# Altium PCB Hrafn_backup.PcbDoc (part 1 of 5) (continued)
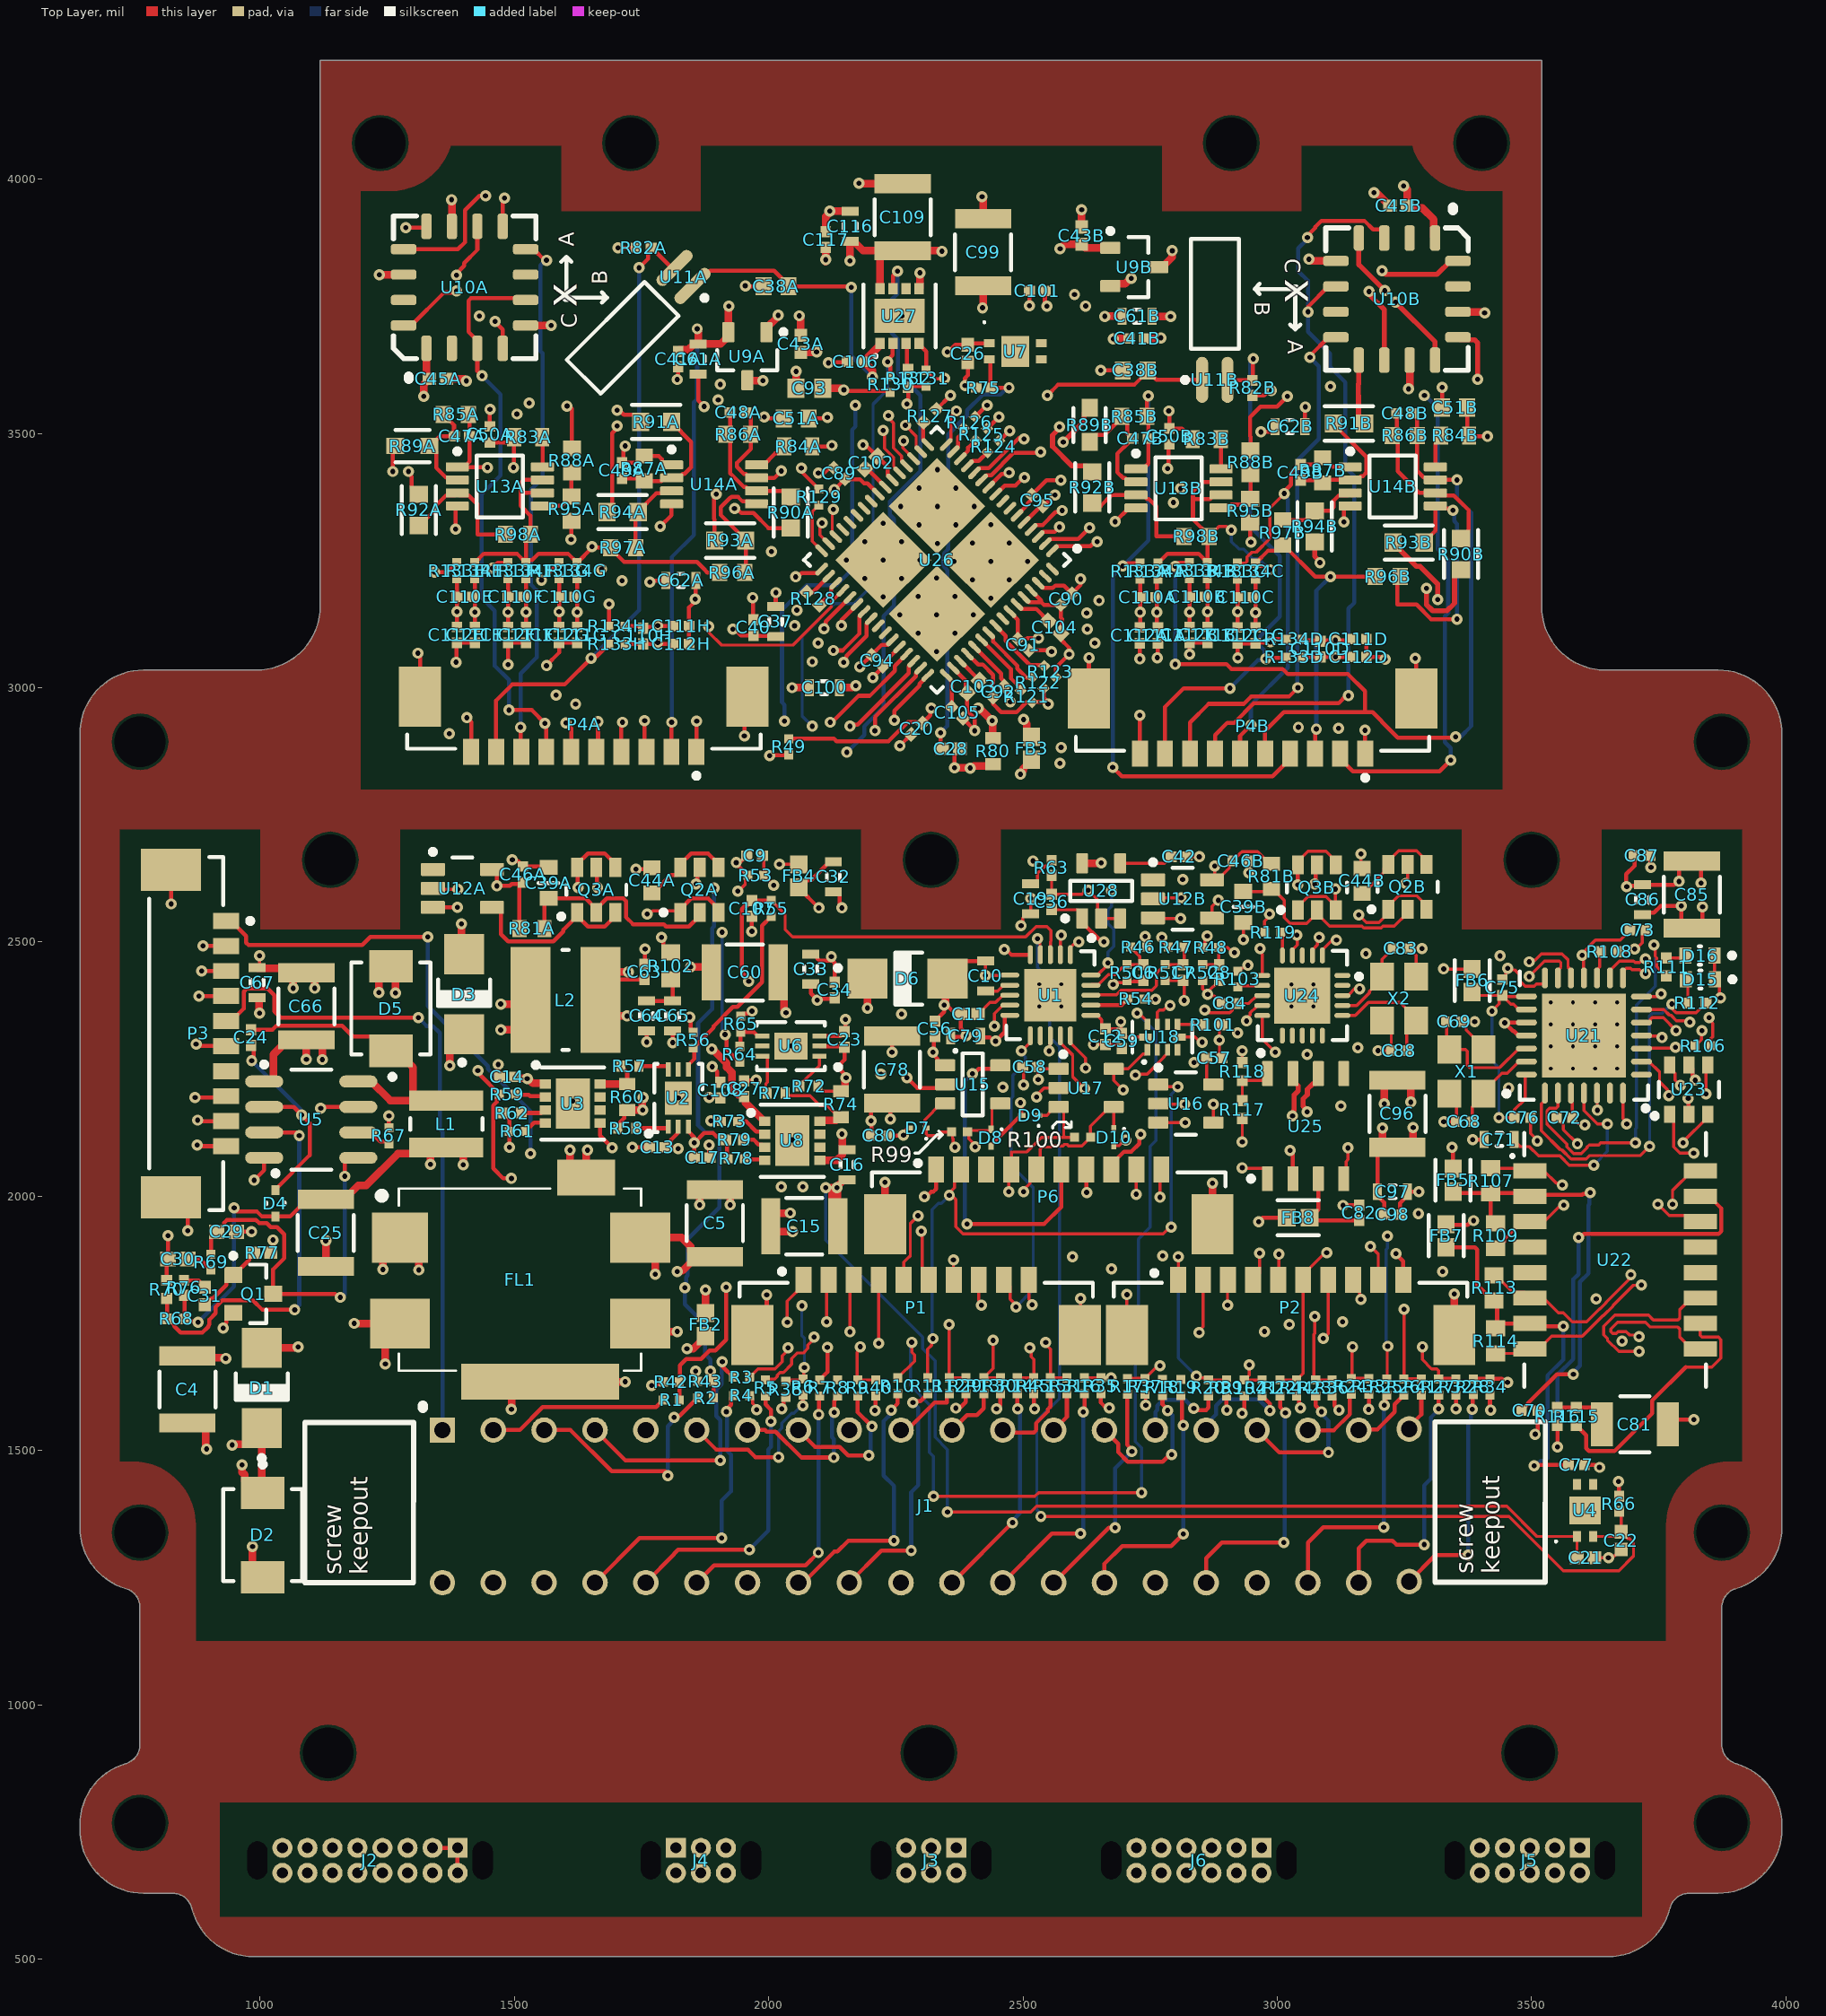
[diagram p0: Top Layer view]
## Classes and differential pairs (continued)

## Components (designator, comment, footprint, x,y, rotation, side; value= is the part's Value field where it differs from the comment)
C4 "CGA6P1X7S1A476M250AC" FP-CGA6P-IPC_B 857,1620 r90 top
C5 "CGA6P1X7S1A476M250AC" FP-CGA6P-IPC_B 1894,1947 r90 top
C6 "0.1 uF" CAPC1005X55X25LL05T10 2736.88,2439.72 r90 top
C7 "0.1 uF" CAPC1005X55X25LL05T10 2814.61,2439.72 r90 top
C8 "0.1 uF" CAPC1005X55X25LL05T10 2885.48,2439.72 r90 top
C9 "0.1 uF" CAPC1005X55X25LL05T10 1972.44,2669.29 r180 top
C10 "10 uF" CAPC1608X90X20LL10 2426.18,2433.07 r270 top
C11 "1 uF" CAPC1005X60X30NL05T10 2394.68,2358.27 r180 top
C12 "0.1 uF" CAPC1005X55X25LL05T10 2662,2314 r90 top
C13 "0.1 uF" CAPC1005X55X25LL05T10 1781,2096 r0 top
C14 "0.1 uF" CAPC1005X55X25LL05T10 1485.66,2234.72 r0 top
C15 "CGA6P1X7S1A476M250AC" FP-CGA6P-IPC_B 2070,1941 r180 top
C16 "10 uF" CAPC1608X90X20LL10 2154,2062 r270 top
C17 "0.1 uF" CAPC1005X55X25LL05T10 1869,2076 r0 top
C19 "10 uF" CAPC1608X90X20LL10 2514.76,2584.65 r270 top
C20 "0.1 uF" CAPC1005X55X25LL05T10 2291.03,2919.29 r45 top
C21 "10 nF" CAPC1005X56X25NL10T15 3606,1289 r180 top
C22 "10 nF" CAPC1005X56X25NL10T15 3676,1323 r90 top
C23 "0.1 uF" CAPC1005X55X25LL05T10 2148.62,2308.07 r270 top
C24 "0.27 uF" CAPC1005X55X25LL05T10 981.84,2312 r270 top
C25 "CGA6P1X7S1A476M250AC" FP-CGA6P-IPC_B 1129,1928 r270 top
C26 "10 nF" CAPC1005X56X25NL10T15 2391.24,3657.02 r90 top
C27 "0.1 uF" CAPC1005X55X25LL05T10 1951.77,2211.61 r270 top
C28 "10 nF" CAPC1005X56X25NL10T15 2358.27,2879.92 r180 top
C29 "100pF" CAPC1005X55X25ML05T10 934.06,1930.12 r180 top
C30 "3.3 nF" CAPC1005X56X25ML10T15 838.21,1876.83 r0 top
C31 "15 nF" CAPC1005X55X25NL05T10 891.21,1803.83 r90 top
C32 "10 uF" CAPC1608X90X20LL10 2126.97,2627.95 r90 top
C33 "10 uF" CAPC1608X90X20LL10 2082.68,2446.85 r270 top
C34 "0.1 uF" CAPC1005X55X25LL05T10 2129.92,2405.51 r270 top
C36 "0.1 uF" CAPC1005X55X25LL05T10 2556.1,2578.74 r270 top
C37 "10 uF" CAPC1608X90X20LL10 2013.59,3130.14 r270 top
C38A "0.1 uF" CAPC1608X87X35LL15T15 2014.2,3789.47 r0 top (schematic designator C38)
C38B "0.1 uF" CAPC1608X87X35LL15T15 2720.47,3624.02 r0 top (schematic designator C38)
C39A "22uF" FP-GRM18-0_2-MFG 1566.93,2616.14 r90 top (schematic designator C39)
C39B "22uF" FP-GRM18-0_2-MFG 2933.07,2568.9 r270 top (schematic designator C39)
C40 "0.1 uF" CAPC1005X55X25LL05T10 1970.28,3118.33 r270 top
C41A "0.1 uF" CAPC1005X55X25LL05T10 1821.69,3646.09 r90 top (schematic designator C41)
C41B "0.1 uF" CAPC1005X55X25LL05T10 2724.02,3687.01 r0 top (schematic designator C41)
C42 "0.1 uF" CAPC1005X55X25LL05T10 2806.83,2667.5 r180 top
C43A "1 uF" CAPC1005X60X30NL05T10 2062.99,3676.18 r90 top (schematic designator C43)
C43B "1 uF" CAPC1005X60X30NL05T10 2615.16,3888.98 r270 top (schematic designator C43)
C44A "4.7uF" CAPC1608X90X35LL10T15 1770.56,2621.11 r90 top (schematic designator C44)
C44B "4.7uF" CAPC1608X90X35LL10T15 3166.49,2620.05 r90 top (schematic designator C44)
C45A "1 uF" CAPC1005X60X30NL05T10 1349.41,3607.28 r180 top (schematic designator C45)
C45B "1 uF" CAPC1005X60X30NL05T10 3238.19,3947.83 r0 top (schematic designator C45)
C46A "0.1 uF" CAPC0402(1005)60_L 1516.73,2632.87 r270 top value=100nF (schematic designator C46)
C46B "0.1 uF" CAPC0402(1005)60_L 2928.15,2659.45 r180 top value=100nF (schematic designator C46)
C47A "470 pF" CAPC1005X55X25LL05T10 1396.49,3494.19 r0 top (schematic designator C47)
C47B "470 pF" CAPC1005X55X25LL05T10 2730.74,3490.25 r0 top (schematic designator C47)
C48A "470 pF" CAPC1005X55X25LL05T10 1939.8,3541.43 r0 top (schematic designator C48)
C48B "470 pF" CAPC1005X55X25LL05T10 3250.42,3539.46 r0 top (schematic designator C48)
C49A "470 pF" CAPC1005X55X25LL05T10 1711.45,3427.26 r90 top (schematic designator C49)
C49B "470 pF" CAPC1005X55X25LL05T10 3045.7,3423.32 r90 top (schematic designator C49)
C50A "0.1 uF" CAPC0402(1005)60_L 1451.61,3498.13 r270 top value=100nF (schematic designator C50)
C50B "0.1 uF" CAPC0402(1005)60_L 2787.4,3494.09 r90 top value=100nF (schematic designator C50)
C51A "0.1 uF" CAPC1608X87X35LL15T15 2053.97,3529.62 r0 top (schematic designator C51)
C51B "0.1 uF" CAPC1608X87X35LL15T15 3348.46,3550.91 r0 top (schematic designator C51)
C56 "0.1 uF" CAPC1005X55X30LL05T10 2326.77,2328.74 r270 top
C57 "0.1 uF" CAPC1005X55X30LL05T10 2876,2272 r180 top
C58 "0.1 uF" CAPC1005X55X30LL05T10 2513.78,2253.94 r0 top
C59 "0.1 uF" CAPC1005X55X30LL05T10 2694,2305 r90 top
C60 "CGA6P1X7S1A476M250AC" FP-CGA6P-IPC_B 1952.76,2439.96 r180 top
C61A "10 uF" CAPC1608X90X20LL10 1861.06,3646.49 r90 top (schematic designator C61)
C61B "10 uF" CAPC1608X90X20LL10 2724.11,3730.41 r0 top (schematic designator C61)
C62A "10 uF" CAPC1608X90X20LL10 1827,3211 r180 top (schematic designator C62)
C62B "10 uF" CAPC1608X90X20LL10 3024.61,3513.78 r180 top (schematic designator C62)
C63 "0.1 uF" CAPC1005X55X25LL05T10 1755.91,2441.14 r90 top
C64 "10 uF" CAPC1608X90X20LL10 1759.84,2354.53 r90 top
C65 "10 uF" CAPC1608X90X20LL10 1811.02,2354.53 r90 top
C66 "CGA6P1X7S1A476M250AC" FP-CGA6P-IPC_B 1090.84,2373.32 r90 top
C67 "10 uF" CAPC1608X90X20LL10 994.09,2420.28 r90 top
C68 "18 pF" CAPC1005X55X25LL05T10 3367.6,2146.73 r0 top
C69 "18 pF" CAPC1005X55X25LL05T10 3347.91,2343.58 r0 top
C70 "0.1 uF" CAPC0402(1005)60_L 3496.06,1578.74 r180 top value=100nF
C71 "10 uF" CAPC1608X90X20LL10 3436.4,2111.3 r180 top
C72 "0.1 uF" CAPC0402(1005)60_L 3564.45,2154.61 r0 top value=100nF
C73 "0.1 uF" CAPC0402(1005)60_L 3709,2523 r180 top value=100nF
C75 "0.1 uF" CAPC0402(1005)60_L 3442.4,2410.51 r270 top value=100nF
C76 "0.1 uF" CAPC0402(1005)60_L 3481.77,2154.61 r180 top value=100nF
C77 "0.1 uF" CAPC0402(1005)60_L 3588.03,1471.76 r180 top value=100nF
C78 "CGA6P1X7S1A476M250AC" FP-CGA6P-IPC_B 2242.2,2249.09 r90 top
C79 "10 uF" CAPC1608X90X20LL10 2386.8,2315.01 r0 top
C80 "0.1 uF" CAPC1005X55X25LL05T10 2217.6,2119.17 r180 top
C81 "2.2nF" FP-CGA6P-MFG 3702.76,1551.18 r0 top
C82 "0.1 uF" CAPC1005X55X30LL05T10 3160.51,1967.6 r90 top
C83 "18 pF" CAPC1005X55X25LL05T10 3243.23,2487.13 r180 top
C84 "0.1 uF" CAPC1005X55X30LL05T10 2906.97,2379.02 r0 top
C85 "CGA6P1X7S1A476M250AC" FP-CGA6P-IPC_B 3815,2593 r90 top
C86 "10 uF" CAPC1608X90X20LL10 3718,2583 r270 top
C87 "0.1 uF" CAPC1005X55X25LL05T10 3717,2670 r0 top
C88 "18 pF" CAPC1005X55X25LL05T10 3239.29,2286.34 r0 top
C89 "0.1 uF" CAPC0402(1005)60_L 2138.78,3421.26 r315 top value=100nF
C90 "0.1 uF" CAPC0402(1005)60_L 2585.2,3174.12 r45 top value=100nF
C91 "0.1 uF" CAPC0402(1005)60_L 2500.56,3084.55 r135 top value=100nF
C92 "0.1 uF" CAPC0402(1005)60_L 2452,2992 r225 top value=100nF
C93 "10 uF" CAPC1608X90X35NL10T15 2080,3589 r0 top
C94 "0.1 uF" CAPC0402(1005)60_L 2213.16,3053.05 r135 top value=100nF
C95 "0.1 uF" CAPC0402(1005)60_L 2528.12,3368.02 r135 top value=100nF
C96 "CGA6P1X7S1A476M250AC" FP-CGA6P-IPC_B 3236,2162 r90 top
C97 "10 uF" CAPC1608X90X20LL10 3226.26,2008.94 r180 top
C98 "0.1 uF" CAPC1005X55X25LL05T10 3225.77,1963.84 r180 top
C99 "CGA6P1X7S1A476M250AC" FP-CGA6P-IPC_B 2421.26,3856.3 r90 top
C100 "10 uF" CAPC1608X90X20LL10 2109,3000 r180 top
C101 "0.1 uF" CAPC1005X55X25LL05T10 2527.56,3780.51 r180 top
C102 "1 uF" CAPC1005X60X30NL05T10 2201.35,3442.82 r225 top
C103 "1 uF" CAPC1005X60X30NL05T10 2402.13,3001.87 r45 top
C104 "1 uF" CAPC1005X60X30NL05T10 2561.58,3119 r135 top
C105 "0.1 uF" CAPC0402(1005)60_L 2370.64,2950.69 r135 top value=100nF
C106 "0.1 uF" CAPC1005X55X25LL05T10 2170,3641 r0 top
C107 "0.1 uF" CAPC1005X55X25LL05T10 1966.83,2565.86 r90 top
C108 "0.1 uF" CAPC1005X55X25LL05T10 1904.53,2208.66 r90 top
C109 "CGA6P1X7S1A476M250AC" FP-CGA6P-IPC_B 2263.22,3925.29 r90 top
C110A "1 uF" CAPC1005X55X25LL05T10 2745.51,3177.85 r180 top (schematic designator C110)
C110B "1 uF" CAPC1005X55X25LL05T10 2842.93,3178.85 r180 top (schematic designator C110)
C110C "1 uF" CAPC1005X55X25LL05T10 2937.42,3177.85 r180 top (schematic designator C110)
C110D "1 uF" CAPC1005X55X25LL05T10 3084.45,3075.88 r270 top (schematic designator C110)
C110E "1 uF" CAPC1005X55X25LL05T10 1402.36,3178.85 r180 top (schematic designator C110)
C110F "1 uF" CAPC1005X55X25LL05T10 1502.85,3178.85 r180 top (schematic designator C110)
C110G "1 uF" CAPC1005X55X25LL05T10 1603.34,3178.85 r180 top (schematic designator C110)
C110H "1 uF" CAPC1005X55X25LL05T10 1752.77,3101.46 r270 top (schematic designator C110)
C111A "0.1 uF" CAPC0402(1005)60_L 2765.19,3103.05 r90 top value=100nF (schematic designator C111)
C111B "0.1 uF" CAPC0402(1005)60_L 2862.61,3104.05 r90 top value=100nF (schematic designator C111)
C111C "0.1 uF" CAPC0402(1005)60_L 2957.1,3103.05 r90 top value=100nF (schematic designator C111)
C111D "0.1 uF" CAPC0402(1005)60_L 3159.25,3095.57 r180 top value=100nF (schematic designator C111)
C111E "0.1 uF" CAPC0402(1005)60_L 1422.05,3104.05 r90 top value=100nF (schematic designator C111)
C111F "0.1 uF" CAPC0402(1005)60_L 1522.54,3104.05 r90 top value=100nF (schematic designator C111)
C111G "0.1 uF" CAPC0402(1005)60_L 1623.03,3104.05 r90 top value=100nF (schematic designator C111)
C111H "0.1 uF" CAPC0402(1005)60_L 1827.57,3121.14 r180 top value=100nF (schematic designator C111)
C112A "0.1 uF" CAPC0402(1005)60_L 2729.76,3103.05 r90 top value=100nF (schematic designator C112)
C112B "0.1 uF" CAPC0402(1005)60_L 2827.18,3104.05 r90 top value=100nF (schematic designator C112)
C112C "0.1 uF" CAPC0402(1005)60_L 2921.67,3103.05 r90 top value=100nF (schematic designator C112)
C112D "0.1 uF" CAPC0402(1005)60_L 3159.25,3060.14 r180 top value=100nF (schematic designator C112)
C112E "0.1 uF" CAPC0402(1005)60_L 1386.62,3104.05 r90 top value=100nF (schematic designator C112)
C112F "0.1 uF" CAPC0402(1005)60_L 1487.1,3104.05 r90 top value=100nF (schematic designator C112)
C112G "0.1 uF" CAPC0402(1005)60_L 1587.59,3104.05 r90 top value=100nF (schematic designator C112)
C112H "0.1 uF" CAPC0402(1005)60_L 1827.57,3085.71 r180 top value=100nF (schematic designator C112)
C116 "10 uF" CAPC1608X90X20LL10 2159.87,3907.57 r270 top
C117 "0.1 uF" CAPC1005X55X25LL05T10 2112.2,3880.91 r270 top
D1 "Vz=5.6V nom" ONSC-SMA-2-403D-02_F_V 1003,1623 r90 top
D2 "STPS3L60U" FP-SMB-MFG 1004.92,1333.66 r270 top
D3 "Vz=5.6V nom" ONSC-SMA-2-403D-02_F_V 1400.84,2397.32 r90 top
D4 "1N914BWT" FP-502-01-MFG 1030,1986 r270 top value=4pF
D5 "STPS3L60U" FP-SMB-MFG 1256.89,2369.09 r90 top
D6 "Vz=3.9V nom" ONSC-SMA-2-403D-02_F_V 2272.64,2428.15 r0 top
D7 "ESD9R3.3ST5G" ONSC-SOD-923-2-514AB-01_V 2293,2134 r180 top
D8 "ESD9R3.3ST5G" ONSC-SOD-923-2-514AB-01_V 2437,2115 r270 top
D9 "ESD9R3.3ST5G" ONSC-SOD-923-2-514AB-01_V 2514,2159 r180 top
D10 "ESD9R3.3ST5G" ONSC-SOD-923-2-514AB-01_V 2678,2116 r270 top
D15 "TLMP1100-GS08" FP-6_541-5056_01-4-MFG 3831.69,2426.31 r180 top
D16 "TLMP1100-GS08" FP-6_541-5056_01-4-MFG 3830.93,2473.32 r180 top
FB2 "BLM18PG121SH1D" FP-BLM18-0_15-t0_8-IPC_C 1875.64,1747.71 r270 top
FB3 "BLM18PG121SH1D" FP-BLM18-0_15-t0_8-IPC_C 2516.73,2880.91 r270 top
FB4 "BLM18PG121SH1D" FP-BLM18-0_15-t0_8-IPC_C 2059.06,2629.92 r270 top
FB5 "BLM18PG121SH1D" FP-BLM18-0_15-t0_8-IPC_C 3345.47,2031.5 r90 top
FB6 "BLM18PG121SH1D" FP-BLM18-0_15-t0_8-IPC_C 3383,2424 r90 top
FB7 "BLM18PG121SH1D" FP-BLM18-0_15-t0_8-IPC_C 3331.69,1922.24 r90 top
FB8 "BLM18PG121SH1D" FP-BLM18-0_15-t0_8-IPC_C 3040.83,1957.76 r0 top
FL1 "BNX028-01L" "FIL_BNX028-01L - small" 1511,1836 r0 top
J1 "PiZero" DIP40 1358.27,1240.16 r90 top
J2 "Gecko_16" GECK16 1388.13,718.63 r270 top
J3 "Gecko_6_M" GECK6_M 2368.44,718.63 r270 top
J4 "Gecko_6_F" GECK6_F 1817.26,669.42 r90 top
J5 "Gecko_10" GECK10-dup 3594.82,718.63 r270 top
J6 "Gecko_12" GECK12 2968.83,718.63 r270 top
L1 "L" 78438357022 1366,2142 r180 top
L2 "74404300047" WE-TPC-4828-MH 1600.39,2386.02 r0 top
P1 "53398-1071" MOLX-53398-1071_V 2289.84,1766.81 r180 top
P2 "53398-1071" MOLX-53398-1071_V 3026.06,1766.81 r180 top
P3 "53398-1071" MOLX-53398-1071_V 864.17,2319.88 r90 top
P4A "53398-1071" MOLX-53398-1071_V 1636.25,2943.01 r0 top (schematic designator P4)
P4B "53398-1071" MOLX-53398-1071_V 2951.21,2939.07 r0 top (schematic designator P4)
P6 "53398-1071" MOLX-53398-1071_V 2550.46,1984.1 r180 top
Q1 "MMBT2222ALT3G" ONSC-SOT-23-3-318-08_V 986.22,1808.07 r0 top
Q2A "NTGD4167CT1G" ONSC-TSOP-6-318G-02_V 1863.9,2602.28 r90 top (schematic designator Q2)
Q2B "NTGD4167CT1G" ONSC-TSOP-6-318G-02_V 3255.89,2608.34 r90 top (schematic designator Q2)
Q3A "NTGD4167CT1G" ONSC-TSOP-6-318G-02_V 1660.83,2602.28 r90 top (schematic designator Q3)
Q3B "NTGD4167CT1G" ONSC-TSOP-6-318G-02_V 3077.76,2607.28 r90 top (schematic designator Q3)
R1 "220 Ω" RESC1005X40X25LL05T05 1808.15,1599.49 r180 top
R2 "220 Ω" RESC1005X40X25LL05T05 1875.47,1603.42 r180 top
R3 "220 Ω" RESC1005X40X25LL05T05 1946.34,1643.78 r180 top
R4 "220 Ω" RESC1005X40X25LL05T05 1946.34,1608.35 r0 top
R5 "220 Ω" RESC1005X40X25LL05T05 1993.58,1623.11 r90 top
R6 "220 Ω" RESC1005X40X25LL05T05 2067.4,1625.05 r270 top
R7 "220 Ω" RESC1005X40X25LL05T05 2099.88,1623.11 r90 top
R8 "220 Ω" RESC1005X40X25LL05T05 2135.31,1623.11 r270 top
R9 "220 Ω" RESC1005X40X25LL05T05 2174.69,1623.11 r270 top
R10 "220 Ω" RESC1005X40X25LL05T05 2253.43,1627.05 r90 top
R11 "220 Ω" RESC1005X40X25LL05T05 2312.48,1627.05 r90 top
R12 "220 Ω" RESC1005X40X25LL05T05 2354.79,1627.05 r270 top
R13 "220 Ω" RESC1005X40X25LL05T05 2422.72,1627.05 r270 top
R14 "220 Ω" RESC1005X40X25LL05T05 2488.65,1627.05 r90 top
R15 "220 Ω" RESC1005X40X25LL05T05 2553.64,1627.05 r270 top
R16 "220 Ω" RESC1005X40X25LL05T05 2620.57,1627.05 r90 top
R17 "220 Ω" RESC1005X40X25LL05T05 2705,1626 r90 top
R18 "220 Ω" RESC1005X40X25LL05T05 2774,1624 r270 top
R19 "220 Ω" RESC1005X40X25LL05T05 2810,1624 r90 top
R20 "220 Ω" RESC1005X40X25LL05T05 2864.47,1623.11 r270 top
R21 "220 Ω" RESC1005X40X25LL05T05 2969.96,1623.11 r270 top
R22 "220 Ω" RESC1005X40X25LL05T05 3005.39,1623.11 r90 top
R23 "220 Ω" RESC1005X40X25LL05T05 3075.26,1623.11 r270 top
R24 "220 Ω" RESC1005X40X25LL05T05 3145,1626 r270 top
R25 "220 Ω" RESC1005X40X25LL05T05 3215,1625 r90 top
R26 "220 Ω" RESC1005X40X25LL05T05 3249,1625 r270 top
R27 "220 Ω" RESC1005X40X25LL05T05 3317,1625 r90 top
R28 "220 Ω" RESC1005X40X25LL05T05 3385,1625.25 r90 top
R29 "22kΩ" RESC1005X40X25LL05T05 2387.28,1627.05 r270 top
R30 "22kΩ" RESC1005X40X25LL05T05 2455.21,1627.05 r270 top
R31 "22kΩ" RESC1005X40X25LL05T05 2586.13,1627.05 r90 top
R32 "22kΩ" RESC1005X40X25LL05T05 3351,1625 r270 top
R33 "22kΩ" RESC1005X40X25LL05T05 3180,1626 r270 top
R34 "22kΩ" RESC1005X40X25LL05T05 3418,1625 r90 top
R35 "22kΩ" RESC1005X40X25LL05T05 2653.06,1627.05 r270 top
R36 "22kΩ" RESC1005X40X25LL05T05 3107.76,1623.11 r270 top
R37 "22kΩ" RESC1005X40X25LL05T05 2740,1626 r270 top
R38 "22kΩ" RESC1005X40X25LL05T05 2033.46,1620.08 r270 top
R39 "22kΩ" RESC1005X40X25LL05T05 2899.91,1623.11 r90 top
R40 "22kΩ" RESC1005X40X25LL05T05 2210.12,1623.11 r270 top
R41 "22kΩ" RESC1005X40X25LL05T05 3283,1625 r90 top
R42 "22kΩ" RESC1005X40X25LL05T05 1808.54,1634.92 r180 top
R43 "22kΩ" RESC1005X40X25LL05T05 1875.47,1635.92 r180 top
R44 "22kΩ" RESC1005X40X25LL05T05 3037.89,1623.11 r270 top
R45 "22kΩ" RESC1005X40X25LL05T05 2521.14,1627.05 r90 top
R46 "10k" RESC1005X40X25LL05T05 2727,2490 r0 top
R47 "10k" RESC1005X40X25LL05T05 2801,2490 r180 top
R48 "10k" RESC1005X40X25LL05T05 2869,2489 r180 top
R49 "10k" RESC1005X40X25LL05T05 2039.37,2883.86 r90 top
R50 "10k" RESC1005X40X25LL05T05 2704.38,2439.72 r90 top
R51 "10k" RESC1005X40X25LL05T05 2779.18,2439.72 r90 top
R52 "10k" RESC1005X40X25LL05T05 2852.99,2439.72 r90 top
R53 "10k" RESC1005X40X25LL05T05 1974.41,2630.91 r180 top
R54 "22kΩ" RESC1005X40X25LL05T05 2722,2388 r0 top
R55 "4.99K" RESC1005X40X25LL05T05 2004.92,2565.94 r90 top
R56 "4.99K" RESC1005X40X25LL05T05 1851.38,2307.09 r90 top
R57 "100" RESC0402(1005)_L 1726.71,2255.75 r0 top value="100.00 Ohm"
R58 "100" RESC0402(1005)_L 1720.66,2133.72 r0 top value="100.00 Ohm"
R59 "100K" RESC1005X40X25LL05T05 1485.66,2200.72 r180 top
R60 "20m" RESC1608X55X25LL10T15 1721.66,2194.72 r270 top
R61 "22k" RESC1005X40X25LL05T05 1505.66,2127.72 r0 top
R62 "274k" RESC1005X40X25NL05T05 1495.66,2163.72 r0 top
R63 "0.5" RESC1005X40X25LL10T10 2556.1,2645.67 r90 top
R64 "4.99K" RESC1005X40X25LL05T05 1943,2279 r270 top
R65 "4.99K" RESC1005X40X25LL05T05 1945.06,2338.61 r90 top
R66 "2 kΩ 0.1%" RESC1005X40X25LL10T10 3672,1395 r270 top
R67 "220 Ω" RESC1005X40X25LL05T05 1253.15,2118.9 r270 top
R68 "1.74 kΩ" RESC1005X40X25NL05T10 835.21,1758.83 r0 top
R69 "10k" RESC1005X40X25LL05T05 903.31,1870.45 r90 top
R70 "1 KOhm" RESC1005X40X25NL05T05 816.21,1816.83 r270 top
R71 "100" RESC0402(1005)_L 2014.28,2203 r180 top value="100.00 Ohm"
R72 "100" RESC0402(1005)_L 2078.92,2216.56 r180 top value="100.00 Ohm"
R73 "100K" RESC1005X40X25LL05T05 1923,2147 r180 top
R74 "20m" RESC1608X55X25LL10T15 2141.91,2181.13 r90 top
R75 "2 kΩ 0.1%" RESC1005X40X25LL10T10 2422.73,3590.09 r0 top
R76 "2 kΩ 0.1%" RESC1005X40X25LL10T10 850.21,1819.83 r90 top
R77 "47 kΩ" RESC1005X40X25NL10T10 1003.94,1888.78 r180 top
R78 "22k" RESC1005X40X25LL05T05 1936,2074 r0 top
R79 "274k" RESC1005X40X25NL05T05 1933,2111 r0 top
R80 "AC0603JR-070RL" RESC1608X55X25LL10T15 2440.94,2875 r270 top
R81A "120" RESC1608X55X30LL15T15 1534.45,2526.57 r180 top (schematic designator R81)
R81B "120" RESC1608X55X30LL15T15 2988.19,2628.94 r90 top (schematic designator R81)
R82A "2 kΩ 0.1%" RESC1005X40X25LL10T10 1753.94,3865.16 r0 top (schematic designator R82)
R82B "2 kΩ 0.1%" RESC1005X40X25LL10T10 2950.79,3589.57 r90 top (schematic designator R82)
R83A "0" RESC1608X55X25NL10T15 1526.79,3492.67 r180 top (schematic designator R83)
R83B "0" RESC1608X55X25NL10T15 2861.04,3488.73 r180 top (schematic designator R83)
R84A "0" RESC1608X55X25NL10T15 2057.91,3474.5 r0 top (schematic designator R84)
R84B "0" RESC1608X55X25NL10T15 3349.46,3495.91 r0 top (schematic designator R84)
R85A "249KΩ" RESC1609X55X30LL10T20 1384.68,3537.5 r0 top (schematic designator R85)
R85B "249KΩ" RESC1609X55X30LL10T20 2718.93,3533.56 r0 top (schematic designator R85)
R86A "249KΩ" RESC1609X55X30LL10T20 1939.8,3498.13 r0 top (schematic designator R86)
R86B "249KΩ" RESC1609X55X30LL10T20 3250.42,3496.16 r0 top (schematic designator R86)
R87A "249KΩ" RESC1609X55X30LL10T20 1754.76,3431.2 r90 top (schematic designator R87)
R87B "249KΩ" RESC1609X55X30LL10T20 3089.01,3427.26 r90 top (schematic designator R87)
R88A "10 KΩ 0.1%" RESC1608X55X30LL20T20 1613.02,3446.95 r90 top (schematic designator R88)
R88B "10 KΩ 0.1%" RESC1608X55X30LL20T20 2947.28,3443.01 r90 top (schematic designator R88)
R89A "4.99KΩ" FP-RT0603-MFG 1299.21,3475.39 r0 top (schematic designator R89)
R89B "4.99KΩ" FP-RT0603-MFG 2630.91,3516.73 r270 top (schematic designator R89)
R90A "4.99KΩ" FP-RT0603-IPC_B 2043.14,3344.58 r90 top (schematic designator R90)
R90B "4.99KΩ" FP-RT0603-IPC_B 3361.22,3262.8 r90 top (schematic designator R90)
R91A "4.99KΩ" FP-RT0603-IPC_B 1778.54,3522.64 r0 top (schematic designator R91)
R91B "4.99KΩ" FP-RT0603-IPC_B 3140.75,3519.68 r180 top (schematic designator R91)
R92A "4.99KΩ" FP-RT0603-IPC_B 1312.01,3349.41 r270 top (schematic designator R92)
R92B "4.99KΩ" FP-RT0603-IPC_B 2635.83,3393.7 r270 top (schematic designator R92)
R93A "4.99KΩ" FP-RT0603-IPC_B 1924.05,3289.47 r0 top (schematic designator R93)
R93B "4.99KΩ" FP-RT0603-IPC_B 3258.3,3285.53 r0 top (schematic designator R93)
R94A "4.99KΩ" FP-RT0603-IPC_B 1712.6,3345.47 r0 top (schematic designator R94)
R94B "4.99KΩ" FP-RT0603-IPC_B 3073.26,3317.02 r90 top (schematic designator R94)
R95A "10 KΩ 0.1%" RESC1608X55X30LL20T20 1612.16,3351.96 r90 top (schematic designator R95)
R95B "10 KΩ 0.1%" RESC1608X55X30LL20T20 2946.41,3348.03 r90 top (schematic designator R95)
R96A "249KΩ" RESC1609X55X30LL10T20 1927.98,3226.47 r0 top (schematic designator R96)
R96B "249KΩ" RESC1609X55X30LL10T20 3216.96,3218.6 r0 top (schematic designator R96)
R97A "249KΩ" RESC1609X55X30LL10T20 1713.58,3275.59 r0 top (schematic designator R97)
R97B "249KΩ" RESC1609X55X30LL10T20 3010.27,3305.21 r90 top (schematic designator R97)
R98A "249KΩ" RESC1609X55X30LL10T20 1506.72,3301.28 r180 top (schematic designator R98)
R98B "249KΩ" RESC1609X55X30LL10T20 2840.98,3297.34 r180 top (schematic designator R98)
R99 "100 Ohm" RESC1005X40X25LL05T05 2375,2127 r180 top
R100 "100 Ohm" RESC1005X40X25LL05T05 2617,2116 r180 top
R101 "5.1 kΩ" RESC1005X40X25NL05T05 2873,2337 r0 top
R102 "0.22 Ω" RESC1608X55X30NL15T15 1807.09,2452.95 r270 top
R103 "220 Ω" RESC1005X40X25LL05T05 2922,2427 r270 top
R104 "22kΩ" RESC1005X40X25LL05T05 2935,1622.75 r270 top
R106 "220 Ω" RESC1005X40X25LL05T05 3837,2296 r180 top
R107 "50 Ω" RESC1609X50X30NL10T20 3419.29,2030.51 r90 top
R108 "2.32 kΩ" RESC1005X40X25NL05T05 3653,2481 r180 top
R109 "50 Ω" RESC1609X50X30NL10T20 3429.04,1922.24 r90 top
R111 "1 kΩ" RESC1005X40X25NL05T05 3764.76,2450.79 r90 top
R112 "1 kΩ" RESC1005X40X25NL05T05 3824.8,2380.05 r180 top
R113 "50 Ω" RESC1609X50X30NL10T20 3426.09,1819.88 r90 top
R114 "50 Ω" RESC1609X50X30NL10T20 3429.04,1715.55 r90 top
R115 "75 Ω" RESC1005X40X25NL05T05 3587.6,1566.93 r270 top
R116 "75 Ω" RESC1005X40X25NL05T05 3550.35,1567.03 r270 top
R117 "1 kΩ" RESC1005X40X25NL05T05 2930.99,2170.35 r270 top
R118 "1 kΩ" RESC1005X40X25NL05T05 2930.99,2245.16 r270 top
R119 "220 Ω" RESC1005X40X25LL05T05 2991.25,2519 r0 top
R121 "220 Ω" RESC1005X40X25LL05T05 2506.46,2983.17 r315 top
R122 "220 Ω" RESC1005X40X25LL05T05 2529.53,3009.84 r315 top
R123 "220 Ω" RESC1005X40X25LL05T05 2553.15,3031.5 r315 top
R124 "220 Ω" RESC1005X40X25LL05T05 2441.5,3474.31 r45 top
R125 "220 Ω" RESC1005X40X25LL05T05 2417.88,3497.94 r45 top
R126 "220 Ω" RESC1005X40X25LL05T05 2394.26,3521.56 r45 top
R127 "220 Ω" RESC1005X40X25NL05T05 2316.93,3534.45 r45 top
R128 "220 Ω" RESC1005X40X25NL05T05 2087.17,3175.1 r135 top
R129 "220 Ω" RESC1005X40X25LL05T05 2098.43,3375 r270 top
R130 "100K" RESC1005X40X25LL05T05 2238.61,3596.55 r270 top
R131 "22k" RESC1005X40X25LL05T05 2309.48,3608.36 r90 top
R132 "274k" RESC1005X40X25NL05T05 2274.05,3608.36 r90 top
R133A "3.3 KΩ" RESC1005X40X25LL05T05 2729.76,3229.03 r270 top (schematic designator R133)
R133B "3.3 KΩ" RESC1005X40X25LL05T05 2827.18,3230.03 r270 top (schematic designator R133)
R133C "3.3 KΩ" RESC1005X40X25LL05T05 2921.67,3229.03 r270 top (schematic designator R133)
R133D "3.3 KΩ" RESC1005X40X25LL05T05 3033.26,3060.14 r0 top (schematic designator R133)
R133E "3.3 KΩ" RESC1005X40X25LL05T05 1386.62,3230.03 r270 top (schematic designator R133)
R133F "3.3 KΩ" RESC1005X40X25LL05T05 1487.1,3230.03 r270 top (schematic designator R133)
R133G "3.3 KΩ" RESC1005X40X25LL05T05 1587.59,3230.03 r270 top (schematic designator R133)
R133H "3.3 KΩ" RESC1005X40X25LL05T05 1701.59,3085.71 r0 top (schematic designator R133)
R134A "3.3 KΩ" RESC1005X40X25LL05T05 2765.19,3229.03 r270 top (schematic designator R134)
R134B "3.3 KΩ" RESC1005X40X25LL05T05 2862.61,3230.03 r270 top (schematic designator R134)
R134C "3.3 KΩ" RESC1005X40X25LL05T05 2957.1,3229.03 r270 top (schematic designator R134)
R134D "3.3 KΩ" RESC1005X40X25LL05T05 3033.26,3095.57 r0 top (schematic designator R134)
R134E "3.3 KΩ" RESC1005X40X25LL05T05 1422.05,3230.03 r270 top (schematic designator R134)
R134F "3.3 KΩ" RESC1005X40X25LL05T05 1522.54,3230.03 r270 top (schematic designator R134)
R134G "3.3 KΩ" RESC1005X40X25LL05T05 1623.03,3230.03 r270 top (schematic designator R134)
R134H "3.3 KΩ" RESC1005X40X25LL05T05 1701.59,3121.14 r0 top (schematic designator R134)
U1 "AD7298BCPZ" CP-20-8_M 2553.63,2395.28 r270 top
U2 "LT6105" LT6105 1822,2193 r90 top
U3 "FPF2701MPX" FP-511DD-MFG 1614.52,2182.25 r0 top
U4 "AD590J" DFN260P300X75-4N 3604.93,1382.19 r90 top
U5 "LT1959CS8#PBF" LT-S8-8_L 1100.39,2150.59 r0 top
U6 "LT6105" LT6105 2043.49,2295.3 r180 top
U7 "AD590J" DFN260P300X75-4N 2484.86,3661.45 r0 top
U8 "FPF2701MPX" FP-511DD-MFG 2046.24,2109.28 r0 top
U9A "REF3040AIDBZT" DBZ0003A_N 1957.91,3651.82 r270 top (schematic designator U9)
U9B "REF3040AIDBZT" DBZ0003A_N 2718.78,3827.26 r0 top (schematic designator U9)
U10A "HMC1053" LCC16 1326.97,3667.32 r90 top (schematic designator U10)
U10B "HMC1053" LCC16 3310.16,3884.17 r270 top (schematic designator U10)
U11A "AD590L/M" 2-FLATPAK 1712.6,3687.99 r225 top (schematic designator U11)
U11B "AD590L/M" 2-FLATPAK 2876.97,3774.61 r90 top (schematic designator U11)
U12A "SN74AHC1G04DBVR" DBV0005A_M 1397.64,2605.32 r0 top (schematic designator U12)
U12B "SN74AHC1G04DBVR" DBV0005A_M 2813.55,2584.71 r0 top (schematic designator U12)
U13A "LMP2022MM/NOPB" DGK0008A_L 1471.29,3395.76 r0 top (schematic designator U13)
U13B "LMP2022MM/NOPB" DGK0008A_L 2805.54,3391.83 r0 top (schematic designator U13)
U14A "LMP2022MM/NOPB" DGK0008A_L 1892.55,3399.7 r0 top (schematic designator U14)
U14B "LMP2022MM/NOPB" DGK0008A_L 3226.8,3395.76 r0 top (schematic designator U14)
U15 "DS90LV012ATMF/NOPB" DBV0005A_N 2401,2220 r0 top
U16 "TPS3820-33DBVT" DBV0005A_N 2819.96,2182.17 r0 top
U17 "DS90LV012ATMF/NOPB" DBV0005A_N 2624,2213 r0 top
U18 "TMUX136RSER" FP-RSE0010A-MFG 2774,2313 r90 top
U21 "ENC28J60-I/ML" QFN-ML28_N 3602.83,2316.02 r180 top
U22 "HX1188FNL" PULS-HX1188FNL-SMT-16_V 3664.09,1874.87 r270 top
U23 "CM1224-04SO" ONSC-SOT23-6-527AJ_V 3809.06,2209.65 r90 top
U24 "MCP2515T-I/ML" QFN-ML20_N 3049.09,2394.76 r90 top
U25 "SN65HVD230DR" D0008A_L 3055.59,2137.87 r90 top
U26 "AD7779" AD7779 2330.8,3251.26 r225 top
U27 "FPF2701MPX" FP-511DD-MFG 2257,3731 r90 top
U28 "TPS79133DBVR" DBV0005A_N 2653.54,2600.39 r90 top
X1 "ABM8G-25.000MHZ-18-D2Y-T" ABRA-ABM8G_V 3371.53,2245.16 r90 top
X2 "ABM8G-25.000MHZ-18-D2Y-T" ABRA-ABM8G_V 3239.29,2388.7 r270 top

## Footprints (in the part's own frame and the unit in brackets; to place one, negate y for a bottom-side part, rotate by r counter-clockwise, add the part's x,y. Pads: shape width x height; smd on the part's side, far side on the other; paste and mask are expansions set on the pad)
2-FLATPAK [mm] "CFP, 4-Leads, Body 2.36x6.10mm (max), Pitch 1.27mm, IPC Medium Density"
  oval 2.3x0.6 smd: 1(-4.3,0.635) 2(-4.3,-0.635)
  silkscreen extent -4.42,-1.2 2.75,1.61, body extent -3.05,-1.18 3.05,1.18, height 1.27
78438357022 [mm]
  rect 3.7x1 smd: 0(0,-1.175) 1(0,1.175)
  silkscreen extent -1.8,-0.3 1.8,0.3, body extent -2.05,-2.05 2.05,2.02, height 2.45
ABRA-ABM8G_V [mm] "SMD, 4-Leads, Body 2.5x3.2mm, Pitch 2.2mm"
  rect 1.4x1.2 smd: 1(-1.1,-0.85) 2(1.1,-0.85) 3(1.1,0.85) 4(-1.1,0.85)
  silkscreen extent -1.22,-2.12 -0.98,-1.88, body extent -1.6,-1.24 1.6,1.24, height 0.99
AD7779 [mm] "QFN, 64-Leads, Body 9.00x9.00mm, Pitch 0.50mm, Thermal Pad 7.55x7.55mm, IPC Medium Density"
  rect 3.4x3.4 smd: 0(-1.9,1.9) 0(-1.9,-1.9) 0(1.9,-1.9) 0(1.9,1.9)
  oval 0.8x0.25 smd: 1(-4.4,3.75) 2(-4.4,3.25) 3(-4.4,2.75) 4(-4.4,2.25) 5(-4.4,1.75) 6(-4.4,1.25) 7(-4.4,0.75) 8(-4.4,0.25) 9(-4.4,-0.25) 10(-4.4,-0.75) 11(-4.4,-1.25) 12(-4.4,-1.75) 13(-4.4,-2.25) 14(-4.4,-2.75) 15(-4.4,-3.25) 16(-4.4,-3.75) 33(4.4,-3.75) 34(4.4,-3.25) 35(4.4,-2.75) 36(4.4,-2.25) 37(4.4,-1.75) 38(4.4,-1.25) 39(4.4,-0.75) 40(4.4,-0.25) 41(4.4,0.25) 42(4.4,0.75) 43(4.4,1.25) 44(4.4,1.75) 45(4.4,2.25) 46(4.4,2.75) 47(4.4,3.25) 48(4.4,3.75)
  oval 0.25x0.8 smd: 17(-3.75,-4.4) 18(-3.25,-4.4) 19(-2.75,-4.4) 20(-2.25,-4.4) 21(-1.75,-4.4) 22(-1.25,-4.4) 23(-0.75,-4.4) 24(-0.25,-4.4) 25(0.25,-4.4) 26(0.75,-4.4) 27(1.25,-4.4) 28(1.75,-4.4) 29(2.25,-4.4) 30(2.75,-4.4) 31(3.25,-4.4) 32(3.75,-4.4) 49(3.75,4.4) 50(3.25,4.4) 51(2.75,4.4) 52(2.25,4.4) 53(1.75,4.4) 54(1.25,4.4) 55(0.75,4.4) 56(0.25,4.4) 57(-0.25,4.4) 58(-0.75,4.4) 59(-1.25,4.4) 60(-1.75,4.4) 61(-2.25,4.4) 62(-2.75,4.4) 63(-3.25,4.4) 64(-3.75,4.4)
  silkscreen extent -5.47,-4.7 4.7,4.7, body extent -4.55,-4.55 4.55,4.55, height 0.8
CAPC0402(1005)60_L [mm] "Chip Capacitor, Body 1.0x0.5mm, Height 0.6mm, IPC High Density"
  rect 0.52x0.52 smd: 1(-0.4,0) 2(0.4,0)
  body extent -0.55,-0.3 0.55,0.3, height 0.6
CAPC1005X55X25LL05T10 [mm] "Chip Capacitor, 2-Leads, Body 1.05x0.55mm, IPC High Density"
  rect 0.56x0.52 smd: 1(-0.39,0) 2(0.39,0)
  body extent -0.53,-0.28 0.53,0.28, height 0.55
CAPC1005X55X25ML05T10 [mm] "Chip Capacitor, 2-Leads, Body 1.00x0.50mm, IPC Low Density"
  rect 0.76x0.72 smd: 1(-0.49,0) 2(0.49,0)
  body extent -0.53,-0.28 0.53,0.27, height 0.55
CAPC1005X55X25NL05T10 [mm] "Chip Capacitor, 2-Leads, Body 1.00x0.50mm, IPC Medium Density"
  rect 0.66x0.62 smd: 1(-0.44,0) 2(0.44,0)
  body extent -0.53,-0.28 0.53,0.27, height 0.55
CAPC1005X55X30LL05T10 [mm] "Chip Capacitor, 2-Leads, Body 1.00x0.50mm, IPC High Density"
  rect 0.56x0.52 smd: 1(-0.38,0) 2(0.38,0)
  body extent -0.53,-0.28 0.53,0.28, height 0.55
CAPC1005X56X25ML10T15 [mm] "Chip Capacitor, 2-Leads, Body 1.00x0.50mm, IPC Low Density"
  rect 0.78x0.74 smd: 1(-0.49,0) 2(0.49,0)
  body extent -0.55,-0.3 0.55,0.3, height 0.56
CAPC1005X56X25NL10T15 [mm] "Chip Capacitor, 2-Leads, Body 1.00x0.50mm, IPC Medium Density"
  rect 0.68x0.64 smd: 1(-0.44,0) 2(0.44,0)
  body extent -0.55,-0.3 0.55,0.3, height 0.56
CAPC1005X60X30NL05T10 [mm] "Chip Capacitor, 2-Leads, Body 1.00x0.50mm, IPC Medium Density"
  rect 0.66x0.62 smd: 1(-0.43,0) 2(0.43,0)
  body extent -0.53,-0.28 0.53,0.27, height 0.6
CAPC1608X87X35LL15T15 [mm] "Chip Capacitor, 2-Leads, Body 1.60x0.80mm, IPC High Density"
  rect 0.8x0.9 smd: 1(-0.625,0) 2(0.625,0)
  body extent -0.87,-0.48 0.87,0.48, height 0.87
CAPC1608X90X20LL10 [mm]
  rect 0.45x0.85 smd: 1(-0.75,0) 2(0.75,0)
  body extent -0.85,-0.45 0.85,0.45, height 0.9
CAPC1608X90X35LL10T15 [mm] "Chip Capacitor, 2-Leads, Body 1.60x0.80mm, IPC High Density"
  rect 0.75x0.85 smd: 1(-0.625,0) 2(0.625,0)
  body extent -0.85,-0.45 0.85,0.45, height 0.9
CAPC1608X90X35NL10T15 [mm] "Chip Capacitor, 2-Leads, Body 1.60x0.80mm, IPC Medium Density"
  rect 0.85x0.95 smd: 1(-0.675,0) 2(0.675,0)
  body extent -0.85,-0.45 0.85,0.45, height 0.9
CP-20-8_M [mm] "QFN, 20-Leads, Body 4x4mm, Pitch 0.5mm, Thermal Pad 2.6x2.6mm, IPC Low Density"
  oval 0.95x0.25 smd: 1(-2.025,1) 2(-2.025,0.5) 3(-2.025,0) 4(-2.025,-0.5) 5(-2.025,-1) 11(2.025,-1) 12(2.025,-0.5) 13(2.025,0) 14(2.025,0.5) 15(2.025,1)
  oval 0.25x0.95 smd: 6(-1,-2.025) 7(-0.5,-2.025) 8(0,-2.025) 9(0.5,-2.025) 10(1,-2.025) 16(1,2.025) 17(0.5,2.025) 18(0,2.025) 19(-0.5,2.025) 20(-1,2.025)
  rect 2.6x2.6 smd: 21(0,0)
  silkscreen extent -2.97,-2.2 2.2,2.2, body extent -2.05,-2.05 2.05,2.05, height 0.8
D0008A_L [mm] "SOIC, 8-Leads, Body 5x4mm, Pitch 1.27mm, IPC High Density"
  rrect18% 1.25x0.55 smd: 1(-2.625,1.905) 2(-2.625,0.635) 3(-2.625,-0.635) 4(-2.625,-1.905) 5(2.625,-1.905) 6(2.625,-0.635) 7(2.625,0.635) 8(2.625,1.905)
  silkscreen extent -2.75,2.6 -2.5,2.85, body extent -3,-2.45 3,2.45, height 1.63
DBV0005A_M [mm] "SOT23, 5-Leads, Body 3.05x1.75mm, Pitch 0.95mm, IPC Low Density"
  rrect15% 1.2x0.65 smd: 1(-1.475,0.95) 2(-1.475,0) 3(-1.475,-0.95) 4(1.475,-0.95) 5(1.475,0.95)
  silkscreen extent -1.6,1.55 0.5,1.95, body extent -1.42,-1.46 1.42,1.46, height 1.08
DBV0005A_N [mm] "SOT23, 5-Leads, Body 3.05x1.75mm, Pitch 0.95mm, IPC Medium Density"
  rrect17% 1x0.6 smd: 1(-1.375,0.95) 2(-1.375,0) 3(-1.375,-0.95) 4(1.375,-0.95) 5(1.375,0.95)
  silkscreen extent -0.94,-1.55 0.5,1.75, body extent -1.42,-1.46 1.42,1.46, height 1.08
DBZ0003A_N [mm] "SOT23, 3-Leads, Body 3.04x1.4mm, Pitch 0.95mm, IPC Medium Density"
  rrect17% 1x0.6 smd: 1(-1.2,0.95) 2(-1.2,-0.95) 3(1.2,0)
  silkscreen extent -1.32,-1.5 0.7,1.93, body extent -1.26,-1.46 1.26,1.46, height 0.96
DFN260P300X75-4N [mm] "DFN, 4-Leads, Body 2.00x3.00mm, Pitch 2.60mm, IPC Medium Density"
  rect 0.55x0.4 smd: 1(-1.3,0.4) 2(-1.3,-0.4) 3(1.3,-0.4) 4(1.3,0.4)
  rect 1.4x1.55 smd: 5(0,0)
  silkscreen extent -1.6,1.4 -1.5,1.5, body extent -1.55,-1.05 1.55,1.05, height 0.75
DGK0008A_L [mm] "TSOP, 8-Leads, Body 3.1x3.1mm, Pitch 0.65mm, IPC High Density"
  rrect22% 1.15x0.45 smd: 1(-2.125,0.975) 2(-2.125,0.325) 3(-2.125,-0.325) 4(-2.125,-0.975) 5(2.125,-0.975) 6(2.125,-0.325) 7(2.125,0.325) 8(2.125,0.975)
  silkscreen extent -2.25,-1.55 1.15,1.87, body extent -2.45,-1.5 2.45,1.5, height 0.94